# KiCad board sakura50.kicad_pcb
title: Sakura50; date: 2022-03-10; rev: 2.0; company: HorrorTroll
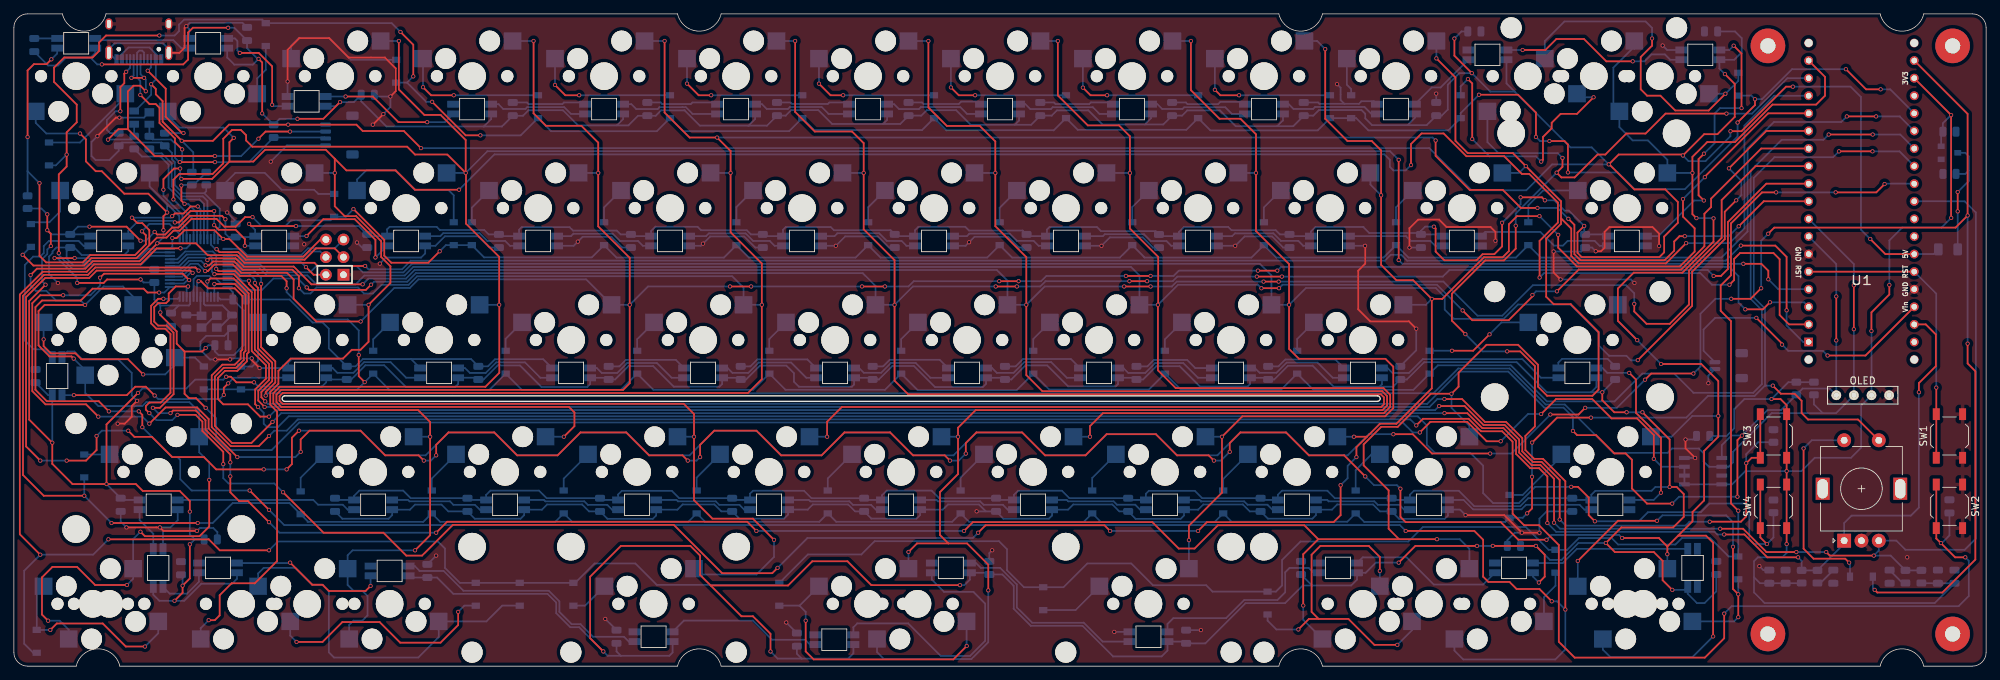
[diagram p0: board, top side]
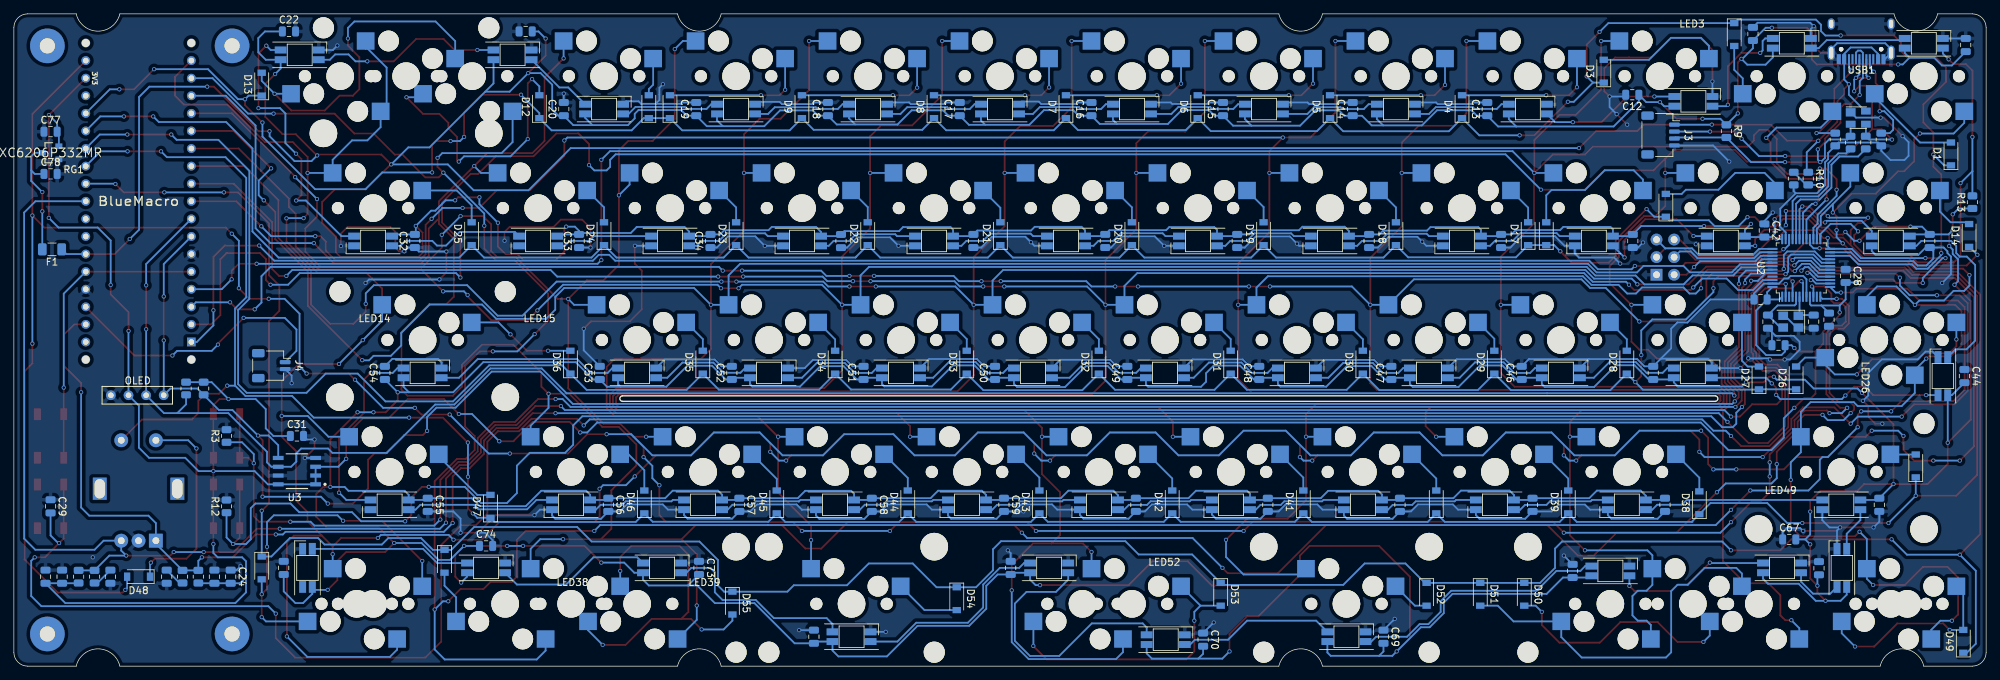
[diagram p1: board, bottom side, seen from below]

Outline 284.7 x 94.2 mm; copper layers: Top, Bottom. Coordinates in mm from the lower left corner of the outline.
Outline path: 0,92.2 0,2 arc(0.59,0.59) 2,0 9,0 arc(12.15,2.5) 15.3,0 95.8,0 arc(98.95,2.5) 102.1,0 182.6,0 arc(185.75,2.5) 188.9,0 269.4,0 arc(272.55,2.5) 275.7,0 282.7,0 arc(284.11,0.59) 284.7,2 284.7,92.2 arc(284.11,93.61) 282.7,94.2 275.7,94.2 arc(272.55,91.7) 269.4,94.2 188.9,94.2 arc(185.75,91.7) 182.6,94.2 102.1,94.2 arc(98.95,91.7) 95.8,94.2 13.3,94.2 arc(10.15,91.7) 7,94.2 2,94.2 arc(0.59,93.61) 0,92.2 ; 39.1,38.24 arc(38.72,38.64) 39.1,39.04 196.85,39.04 arc(197.23,38.64) 196.85,38.24 39.1,38.24

## Placement (name value [footprint] x y rotation side)
C1  100n  [C_0805_2012Metric]  255.74 12.92 270 bottom
C2  100n  [C_0805_2012Metric]  262.64 12.92 270 bottom
C3  100n  [C_0805_2012Metric]  270.76 12.92 270 bottom
C8  22p  [C_0805_2012Metric]  31.5 49.75 270 bottom
C9  22p  [C_0805_2012Metric]  24.89 49.75 270 bottom
C10  100nF  [C_0805_2012Metric]  2.95 89.69 90 bottom
C11  100nF  [C_0805_2012Metric]  33.66 91.3 90 bottom
C12  100nF  [C_0805_2012Metric]  51.08 82.52 0 bottom
C13  100nF  [C_0805_2012Metric]  72.02 80.45 90 bottom
C14  100nF  [C_0805_2012Metric]  91.44 80.45 90 bottom
C15  100nF  [C_0805_2012Metric]  110.16 80.45 90 bottom
C16  100nF  [C_0805_2012Metric]  129.15 80.45 90 bottom
C17  100nF  [C_0805_2012Metric]  148.16 80.45 90 bottom
C18  100nF  [C_0805_2012Metric]  167.19 80.45 90 bottom
C19  100nF  [C_0805_2012Metric]  186.2 80.45 90 bottom
C20  100nF  [C_0805_2012Metric]  205.32 80.45 90 bottom
C21  100nF  [C_0805_2012Metric]  210.82 91.66 0 bottom
C22  100nF  [C_0805_2012Metric]  244.99 91.66 180 bottom
C24  4.7u  [C_0805_2012Metric]  253.4 12.92 270 bottom
C25  100n  [C_0805_2012Metric]  32.56 52.95 180 bottom
C26  100n  [C_0805_2012Metric]  29.97 46.34 180 bottom
C27  10n  [C_0805_2012Metric]  22.68 50.03 90 bottom
C28  1u  [C_0805_2012Metric]  20.28 56.35 270 bottom
C29  100n  [C_0805_2012Metric]  279.4 23.08 270 bottom
C30  4.7u  [C_0805_2012Metric]  280.13 12.92 270 bottom
C31  100n  [C_0805_2012Metric]  243.84 33.24 180 bottom
C32  100nF  [C_0805_2012Metric]  226.82 61.4 90 bottom
C33  100nF  [C_0805_2012Metric]  203.11 61.4 90 bottom
C34  100nF  [C_0805_2012Metric]  184.14 61.4 90 bottom
C35  100nF  [C_0805_2012Metric]  165.3 61.39 90 bottom
C36  100nF  [C_0805_2012Metric]  146.19 61.4 90 bottom
C37  100nF  [C_0805_2012Metric]  127.16 61.4 90 bottom
C38  100nF  [C_0805_2012Metric]  108.11 61.4 90 bottom
C39  100nF  [C_0805_2012Metric]  89.07 61.4 90 bottom
C40  100nF  [C_0805_2012Metric]  70.02 61.4 90 bottom
C41  100nF  [C_0805_2012Metric]  51 61.4 90 bottom
C42  100nF  [C_0805_2012Metric]  32.02 62.92 270 bottom
C43  100nF  [C_0805_2012Metric]  8.14 61.4 90 bottom
C44  100nF  [C_0805_2012Metric]  3.14 41.89 270 bottom
C45  100nF  [C_0805_2012Metric]  48.06 42.35 270 bottom
C46  100nF  [C_0805_2012Metric]  67.04 42.35 90 bottom
C47  100nF  [C_0805_2012Metric]  85.86 42.35 90 bottom
C48  100nF  [C_0805_2012Metric]  104.93 42.35 90 bottom
C49  100nF  [C_0805_2012Metric]  123.97 42.35 90 bottom
C50  100nF  [C_0805_2012Metric]  143.07 42.35 90 bottom
C51  100nF  [C_0805_2012Metric]  162.05 42.35 90 bottom
C52  100nF  [C_0805_2012Metric]  181.06 42.35 90 bottom
C53  100nF  [C_0805_2012Metric]  200.12 42.35 90 bottom
C54  100nF  [C_0805_2012Metric]  231.14 42.35 90 bottom
C55  100nF  [C_0805_2012Metric]  224.95 23.3 270 bottom
C56  100nF  [C_0805_2012Metric]  198.89 23.3 270 bottom
C57  100nF  [C_0805_2012Metric]  179.97 23.3 270 bottom
C58  100nF  [C_0805_2012Metric]  160.85 23.3 270 bottom
C59  100nF  [C_0805_2012Metric]  141.78 23.3 270 bottom
C60  100nF  [C_0805_2012Metric]  122.74 23.3 90 bottom
C61  100nF  [C_0805_2012Metric]  103.69 23.3 90 bottom
C62  100nF  [C_0805_2012Metric]  84.61 23.3 90 bottom
C63  100nF  [C_0805_2012Metric]  65.48 23.3 90 bottom
C64  100nF  [C_0805_2012Metric]  46.36 23.3 90 bottom
C65  100nF  [C_0805_2012Metric]  15.42 23.3 90 bottom
C66  100nF  [C_0805_2012Metric]  24.13 14.15 270 bottom
C67  100nF  [C_0805_2012Metric]  28.42 18.3 180 bottom
C68  100nF  [C_0805_2012Metric]  59.69 13.75 270 bottom
C69  100nF  [C_0805_2012Metric]  87 4.25 270 bottom
C70  100nF  [C_0805_2012Metric]  113.03 3.83 270 bottom
C71  100nF  [C_0805_2012Metric]  140.8 14.19 270 bottom
C72  100nF  [C_0805_2012Metric]  169.21 4.25 270 bottom
C73  100nF  [C_0805_2012Metric]  185.8 14.19 270 bottom
C74  100nF  [C_0805_2012Metric]  216.53 17.37 180 bottom
C75  100nF  [C_0805_2012Metric]  245.75 14.19 90 bottom
C76  100n  [C_0805_2012Metric]  277.74 12.92 270 bottom
C77  1.0u  [C_0805_2012Metric]  279.4 77.18 180 bottom
C78  1.0u  [C_0805_2012Metric]  279.4 71.09 180 bottom
D1  1N4148  [D_SOD-123]  5.08 73.97 90 bottom
D2  1N4148  [D_SOD-123]  36.36 91.21 270 bottom
D3  1N4148  [D_SOD-123]  55.2 85.92 90 bottom
D4  1N4148  [D_SOD-123]  75.66 80.79 90 bottom
D5  1N4148  [D_SOD-123]  94.71 80.79 90 bottom
D6  1N4148  [D_SOD-123]  113.8 80.79 90 bottom
D7  1N4148  [D_SOD-123]  132.83 80.79 90 bottom
D8  1N4148  [D_SOD-123]  151.88 80.79 90 bottom
D9  1N4148  [D_SOD-123]  170.94 80.79 90 bottom
D10  1N4148  [D_SOD-123]  189.99 80.79 90 bottom
D11  1N4148  [D_SOD-123]  193.04 80.79 90 bottom
D12  1N4148  [D_SOD-123]  208.84 80.79 90 bottom
D13  1N4148  [D_SOD-123]  248.92 84.04 90 bottom
D14  1N4148  [D_SOD-123]  2.46 62.2 90 bottom
D15  1N4148  [D_SOD-123]  46.23 66.55 90 bottom
D16  1N4148  [D_SOD-123]  63.5 62.45 90 bottom
D17  1N4148  [D_SOD-123]  66.11 62.45 90 bottom
D18  1N4148  [D_SOD-123]  85.19 62.45 90 bottom
D19  1N4148  [D_SOD-123]  104.3 62.45 90 bottom
D20  1N4148  [D_SOD-123]  123.31 62.45 90 bottom
D21  1N4148  [D_SOD-123]  142.3 62.45 90 bottom
D22  1N4148  [D_SOD-123]  161.44 62.45 90 bottom
D23  1N4148  [D_SOD-123]  180.44 62.45 90 bottom
D24  1N4148  [D_SOD-123]  199.51 62.45 90 bottom
D25  1N4148  [D_SOD-123]  218.62 62.45 90 bottom
D26  1N4148  [D_SOD-123]  27.43 41.62 90 bottom
D27  1N4148  [D_SOD-123]  32.79 41.62 90 bottom
D28  1N4148  [D_SOD-123]  51.87 43.9 90 bottom
D29  1N4148  [D_SOD-123]  70.99 43.9 90 bottom
D30  1N4148  [D_SOD-123]  89.97 43.9 90 bottom
D31  1N4148  [D_SOD-123]  109.05 43.9 90 bottom
D32  1N4148  [D_SOD-123]  128.08 43.9 90 bottom
D33  1N4148  [D_SOD-123]  147.15 43.9 90 bottom
D34  1N4148  [D_SOD-123]  166.15 43.9 90 bottom
D35  1N4148  [D_SOD-123]  185.25 43.9 90 bottom
D36  1N4148  [D_SOD-123]  204.36 43.9 90 bottom
D37  1N4148  [D_SOD-123]  10.16 28.91 90 bottom
D38  1N4148  [D_SOD-123]  41.4 23.59 90 bottom
D39  1N4148  [D_SOD-123]  60.33 23.72 90 bottom
D40  1N4148  [D_SOD-123]  79.38 23.72 90 bottom
D41  1N4148  [D_SOD-123]  98.57 23.72 90 bottom
D42  1N4148  [D_SOD-123]  117.49 23.72 90 bottom
D43  1N4148  [D_SOD-123]  136.66 23.72 90 bottom
D44  1N4148  [D_SOD-123]  155.66 23.72 90 bottom
D45  1N4148  [D_SOD-123]  174.57 23.72 90 bottom
D46  1N4148  [D_SOD-123]  193.69 23.72 90 bottom
D47  1N4148  [D_SOD-123]  215.9 23.08 90 bottom
D48  1N4148  [D_SOD-123]  266.7 12.92 0 bottom
D49  1N4148  [D_SOD-123]  3.3 3.58 90 bottom
D50  1N4148  [D_SOD-123]  66.67 10.38 270 bottom
D51  1N4148  [D_SOD-123]  73.03 10.38 270 bottom
D52  1N4148  [D_SOD-123]  80.77 10.38 270 bottom
D53  1N4148  [D_SOD-123]  110.49 10.38 270 bottom
D54  1N4148  [D_SOD-123]  148.59 9.75 270 bottom
D55  1N4148  [D_SOD-123]  180.97 9.11 270 bottom
D56  1N4148  [D_SOD-123]  222.54 15.15 270 bottom
D57  1N4148  [D_SOD-123]  248.92 14.19 270 bottom
F1  500mA  [Fuse_1206_3216Metric]  279.19 60.19 0 bottom
H1  M2  [MountingHole_M2]  253.2 89.58 0 top
H2  M2  [MountingHole_M2]  279.86 89.58 0 top
H3  M2  [MountingHole_M2]  253.2 4.65 0 top
H4  M2  [MountingHole_M2]  279.86 4.65 0 top
J1  -  [OLED]  263.07 39.12 0 top
J2  ARM-JTAG-6  [Reset_Pretty]  46.31 59.07 0 top
J3  JST SH 4-pin  [JST_SH_SM04B-SRSS-TB_1x04-1MP_P1.00mm_Horizontal]  47 76.7 270 bottom
J4  Battery  [JST_SH_SM02B-SRSS-TB_1x02-1MP_P1.00mm_Horizontal]  247.54 43.4 270 bottom
LED1  SK6812Mini-e  [YS-SK6812MINI-E]  9 89.95 0 bottom
LED2  SK6812Mini-e  [YS-SK6812MINI-E]  28.05 89.95 0 bottom
LED3  SK6812Mini-e  [YS-SK6812MINI-E]  42.26 81.56 0 bottom
LED4  SK6812Mini-e  [YS-SK6812MINI-E]  66.15 80.45 0 bottom
LED5  SK6812Mini-e  [YS-SK6812MINI-E]  85.2 80.45 0 bottom
LED6  SK6812Mini-e  [YS-SK6812MINI-E]  104.25 80.45 0 bottom
LED7  SK6812Mini-e  [YS-SK6812MINI-E]  123.3 80.45 0 bottom
LED8  SK6812Mini-e  [YS-SK6812MINI-E]  142.35 80.45 0 bottom
LED9  SK6812Mini-e  [YS-SK6812MINI-E]  161.4 80.45 0 bottom
LED10  SK6812Mini-e  [YS-SK6812MINI-E]  180.45 80.45 0 bottom
LED11  SK6812Mini-e  [YS-SK6812MINI-E]  199.5 80.45 0 bottom
LED12  SK6812Mini-e  [YS-SK6812MINI-E]  212.71 88.28 0 bottom
LED13  SK6812Mini-e  [YS-SK6812MINI-E]  243.44 88.28 0 bottom
LED14  SK6812Mini-e  [YS-SK6812MINI-E]  232.84 61.4 180 bottom
LED15  SK6812Mini-e  [YS-SK6812MINI-E]  209.03 61.4 180 bottom
LED16  SK6812Mini-e  [YS-SK6812MINI-E]  189.97 61.4 180 bottom
LED17  SK6812Mini-e  [YS-SK6812MINI-E]  170.93 61.4 180 bottom
LED18  SK6812Mini-e  [YS-SK6812MINI-E]  151.88 61.4 180 bottom
LED19  SK6812Mini-e  [YS-SK6812MINI-E]  132.82 61.4 180 bottom
LED20  SK6812Mini-e  [YS-SK6812MINI-E]  113.78 61.4 180 bottom
LED21  SK6812Mini-e  [YS-SK6812MINI-E]  94.72 61.4 180 bottom
LED22  SK6812Mini-e  [YS-SK6812MINI-E]  75.67 61.4 180 bottom
LED23  SK6812Mini-e  [YS-SK6812MINI-E]  56.62 61.4 180 bottom
LED24  SK6812Mini-e  [YS-SK6812MINI-E]  37.58 61.4 180 bottom
LED25  SK6812Mini-e  [YS-SK6812MINI-E]  13.76 61.4 180 bottom
LED26  SK6812Mini-e  [YS-SK6812MINI-E]  6.24 41.89 270 bottom
LED27  SK6812Mini-e  [YS-SK6812MINI-E]  42.34 42.35 0 bottom
LED28  SK6812Mini-e  [YS-SK6812MINI-E]  61.39 42.35 0 bottom
LED29  SK6812Mini-e  [YS-SK6812MINI-E]  80.44 42.35 0 bottom
LED30  SK6812Mini-e  [YS-SK6812MINI-E]  99.49 42.35 0 bottom
LED31  SK6812Mini-e  [YS-SK6812MINI-E]  118.54 42.35 0 bottom
LED32  SK6812Mini-e  [YS-SK6812MINI-E]  137.59 42.35 0 bottom
LED33  SK6812Mini-e  [YS-SK6812MINI-E]  156.64 42.35 0 bottom
LED34  SK6812Mini-e  [YS-SK6812MINI-E]  175.69 42.35 0 bottom
LED35  SK6812Mini-e  [YS-SK6812MINI-E]  194.74 42.35 0 bottom
LED36  SK6812Mini-e  [YS-SK6812MINI-E]  225.7 42.35 0 bottom
LED37  SK6812Mini-e  [YS-SK6812MINI-E]  230.45 23.3 180 bottom
LED38  SK6812Mini-e  [YS-SK6812MINI-E]  204.26 23.3 180 bottom
LED39  SK6812Mini-e  [YS-SK6812MINI-E]  185.21 23.3 180 bottom
LED40  SK6812Mini-e  [YS-SK6812MINI-E]  166.16 23.3 180 bottom
LED41  SK6812Mini-e  [YS-SK6812MINI-E]  147.11 23.3 180 bottom
LED42  SK6812Mini-e  [YS-SK6812MINI-E]  128.06 23.3 180 bottom
LED43  SK6812Mini-e  [YS-SK6812MINI-E]  109.01 23.3 180 bottom
LED44  SK6812Mini-e  [YS-SK6812MINI-E]  89.96 23.3 180 bottom
LED45  SK6812Mini-e  [YS-SK6812MINI-E]  70.91 23.3 180 bottom
LED46  SK6812Mini-e  [YS-SK6812MINI-E]  51.86 23.3 180 bottom
LED47  SK6812Mini-e  [YS-SK6812MINI-E]  20.91 23.3 180 bottom
LED48  SK6812Mini-e  [YS-SK6812MINI-E]  20.83 14.19 270 bottom
LED49  SK6812Mini-e  [YS-SK6812MINI-E]  29.46 14.19 0 bottom
LED50  SK6812Mini-e  [YS-SK6812MINI-E]  54.24 13.75 0 bottom
LED51  SK6812Mini-e  [YS-SK6812MINI-E]  92.34 4.25 0 bottom
LED52  SK6812Mini-e  [YS-SK6812MINI-E]  118.43 3.83 0 bottom
LED53  SK6812Mini-e  [YS-SK6812MINI-E]  135.25 14.19 0 bottom
LED54  SK6812Mini-e  [YS-SK6812MINI-E]  163.78 4.25 0 bottom
LED55  SK6812Mini-e  [YS-SK6812MINI-E]  191.13 14.19 0 bottom
LED56  SK6812Mini-e  [YS-SK6812MINI-E]  216.53 14.19 0 bottom
LED57  SK6812Mini-e  [YS-SK6812MINI-E]  242.32 14.19 270 bottom
MX1  1u  [MXOnly-1U-Hotswap]  9 85.2 180 top
MX2  1u  [MXOnly-1U-Hotswap]  28.05 85.2 180 top
MX3  1u  [MXOnly-1U-Hotswap]  47.1 85.2 0 top
MX4  1u  [MXOnly-1U-Hotswap]  66.15 85.2 0 top
MX5  1u  [MXOnly-1U-Hotswap]  85.2 85.2 0 top
MX6  1u  [MXOnly-1U-Hotswap]  104.25 85.2 0 top
MX7  1u  [MXOnly-1U-Hotswap]  123.3 85.2 0 top
MX8  1u  [MXOnly-1U-Hotswap]  142.35 85.2 0 top
MX9  1u  [MXOnly-1U-Hotswap]  161.4 85.2 0 top
MX10  1u  [MXOnly-1U-Hotswap]  180.45 85.2 0 top
MX11  1u  [MXOnly-1U-Hotswap]  199.5 85.2 0 top
MX12  1u  [MXOnly-1U-Hotswap]  218.55 85.2 180 top
MX13  1u  [MXOnly-1U-Hotswap]  237.6 85.2 180 top
MX14  2u  [MXOnly-2U-Hotswap]  228.08 85.2 0 top
MX15  1.5u  [MXOnly-1.5U-Hotswap]  13.76 66.15 0 top
MX16  1u  [MXOnly-1U-Hotswap]  37.58 66.15 0 top
MX17  1u  [MXOnly-1U-Hotswap]  56.62 66.15 0 top
MX18  1u  [MXOnly-1U-Hotswap]  75.67 66.15 0 top
MX19  1u  [MXOnly-1U-Hotswap]  94.72 66.15 0 top
MX20  1u  [MXOnly-1U-Hotswap]  113.78 66.15 0 top
MX21  1u  [MXOnly-1U-Hotswap]  132.82 66.15 0 top
MX22  1u  [MXOnly-1U-Hotswap]  151.88 66.15 0 top
MX23  1u  [MXOnly-1U-Hotswap]  170.93 66.15 0 top
MX24  1u  [MXOnly-1U-Hotswap]  189.97 66.15 0 top
MX25  1u  [MXOnly-1U-Hotswap]  209.03 66.15 0 top
MX26  1.5u  [MXOnly-1.5U-Hotswap]  232.84 66.15 0 top
MX27  1.25u  [MXOnly-1.25U-Hotswap]  11.38 47.1 0 top
MX28  1.75u  [MXOnly-1.75U-Hotswap]  16.14 47.1 180 top
MX29  1u  [MXOnly-1U-Hotswap]  42.34 47.1 0 top
MX30  1u  [MXOnly-1U-Hotswap]  61.39 47.1 0 top
MX31  1u  [MXOnly-1U-Hotswap]  80.44 47.1 0 top
MX32  1u  [MXOnly-1U-Hotswap]  99.49 47.1 0 top
MX33  1u  [MXOnly-1U-Hotswap]  118.54 47.1 0 top
MX34  1u  [MXOnly-1U-Hotswap]  137.59 47.1 0 top
MX35  1u  [MXOnly-1U-Hotswap]  156.64 47.1 0 top
MX36  1u  [MXOnly-1U-Hotswap]  175.69 47.1 0 top
MX37  1u  [MXOnly-1U-Hotswap]  194.74 47.1 0 top
MX38  2.25u  [MXOnly-2.25U-Hotswap]  225.7 47.1 0 top
MX39  2.25u  [MXOnly-2.25U-Hotswap]  20.91 28.05 0 top
MX40  1u  [MXOnly-1U-Hotswap]  51.86 28.05 0 top
MX41  1u  [MXOnly-1U-Hotswap]  70.91 28.05 0 top
MX42  1u  [MXOnly-1U-Hotswap]  89.96 28.05 0 top
MX43  1u  [MXOnly-1U-Hotswap]  109.01 28.05 0 top
MX44  1u  [MXOnly-1U-Hotswap]  128.06 28.05 0 top
MX45  1u  [MXOnly-1U-Hotswap]  147.11 28.05 0 top
MX46  1u  [MXOnly-1U-Hotswap]  166.16 28.05 0 top
MX47  1u  [MXOnly-1U-Hotswap]  185.21 28.05 0 top
MX48  1u  [MXOnly-1U-Hotswap]  204.26 28.05 0 top
MX49  1.75u  [MXOnly-1.75U-Hotswap]  230.45 28.05 0 top
MX50  Knob  [RotaryEncoder_EC11]  266.7 25.62 90 top
MX51  1.25u  [MXOnly-1.25U-Hotswap]  11.38 9 0 top
MX52  1u  [MXOnly-1U-Hotswap]  32.81 9 180 top
MX53  1.25u  [MXOnly-1.25U-Hotswap]  54.24 9 180 top
MX54  2.75u  [MXOnly-2.75U-Hotswap-ReversedStabilizers]  92.34 9 0 top
MX55  1.25u  [MXOnly-1.25U-Hotswap]  130.44 9 180 top
MX56  2.25u  [MXOnly-2.25U-Hotswap-ReversedStabilizers]  163.78 9 0 top
MX57  1u  [MXOnly-1U-Hotswap]  194.73 9 180 top
MX58  1u  [MXOnly-1U-Hotswap]  213.78 9 180 top
MX59  1.25u  [MXOnly-1.25U-Hotswap]  235.21 9 180 top
MX60  1.5u  [MXOnly-1.5U-Hotswap]  13.76 9 180 top
MX61  1.5u  [MXOnly-1.5U-Hotswap]  42.34 9 0 top
MX62  7u  [MXOnly-7U-Hotswap-ReversedStabilizers]  123.3 9 0 top
MX63  1.5u  [MXOnly-1.5U-Hotswap]  204.26 9 0 top
MX64  1.5u  [MXOnly-1.5U-Hotswap]  232.84 9 0 top
R1  22R  [R_0805_2012Metric]  17.38 75.62 90 bottom
R2  22R  [R_0805_2012Metric]  19.57 75.61 90 bottom
R3  10k  [R_0805_2012Metric]  254 33.24 90 bottom
R4  10k  [R_0805_2012Metric]  258.07 12.92 90 bottom
R5  10k  [R_0805_2012Metric]  275.35 12.92 90 bottom
R7  5.1k  [R_0805_2012Metric]  15.14 76.06 90 bottom
R8  5.1k  [R_0805_2012Metric]  21.78 76.06 270 bottom
R9  1.5k  [R_0805_2012Metric]  37.5 77.26 270 bottom
R10  100k  [R_0805_2012Metric]  25.68 70.41 270 bottom
R11  200k  [R_0805_2012Metric]  27.78 70.41 270 bottom
R12  10k  [R_0805_2012Metric]  254 23.08 90 bottom
R13  10k  [R_0805_2012Metric]  1.98 67.01 90 bottom
R14  10k  [R_0805_2012Metric]  259.84 40.1 90 bottom
R15  10k  [R_0805_2012Metric]  257.3 40.1 90 bottom
R16  10k  [R_0805_2012Metric]  260.35 12.92 270 bottom
R17  10k  [R_0805_2012Metric]  273.05 12.92 270 bottom
RG1  XC6206P332MR  [Torex-XC6206P332MR]  279.4 74.13 0 bottom
SW1  Reset  [SW_SPST_TL3342]  279.4 33.24 90 top
SW2  Reset  [SW_SPST_TL3342]  279.4 23.08 270 top
SW3  Boot0  [SW_SPST_TL3342]  254 33.24 90 top
SW4  Boot1  [SW_SPST_TL3342]  254 23.08 90 top
U1  BlueMacro  [blue_macro]  266.7 67.13 180 bottom
U2  STM32F303CCTx  [LQFP-48_7x7mm_P0.5mm]  26.69 57.51 90 bottom
U3  AT24C512C-SSHD-T  [Microchip-C04-057-SN-0-E-MFG]  243.84 28.16 0 bottom
USB1  -  [HRO-TYPE-C-31-M-12]  18.04 95.34 0 bottom
USB2  PRTR5V0U2X  [SOT-143]  18.46 79.21 180 bottom
Y1  8Mhz  [Crystal_SMD_3225-4Pin_3.2x2.5mm]  28.19 49.75 0 bottom

## Library data of the parts
J2 = -: Field4: SWCLK-JTCK; Field5: SWDIO-JTMS; Field6: JTDO; Field7: GND; Field8: JTDI; Field9: VCC
RG1 = -: Accuracy: ±2%; Dropout Voltage: 250mV; Maximum Output Current: 200mA; category: Reg; category 56439b4967f48d84: Power Management; category 9e07530daf1645c0: Semiconductors and Actives; category bb4c76468af8608b: Linear Regulators; ipc land pattern name: SOT95P280X110-3; lead free: yes; library id: d425e2ef490922a5; manufacturer: Torex; mouser part number: 865-XC6206P332MR-G; num pins: 3; octopart part number: e32b2b70e2ce3cec; package: SOT23; rohs: yes; temperature range high: +85°C; temperature range low: -40°C; voltage: 3.3V
U1 = -: Field4: GND; Field5: GND; Field6: Vin; Field7: RST; Field8: 5V; Field9: RST
U3 = -: access time: 450ns; automotive: No; category: IC; device class L1: Integrated Circuits (ICs); device class L2: Memory; device class L3: EEPROM; digikey description: IC EEPROM 512K I2C 1MHZ 8SOIC; digikey part number: AT24C512C-SSHD-TCT-ND; footprint url: http://ww1.microchip.com/downloads/en/DeviceDoc/08L_SOIC_150_3dot9mm_SN_C04-00057e.pdf; frequency: 1MHz; height: 1.75mm; interface: I2C,2-Wire; lead free: Yes; library id: a59e20c55acd1fa2; manufacturer: Microchip; max supply voltage: 5.5V; memory size: 512Kbits; memory type: EEPROM; min supply voltage: 1.7V; mouser description: AT24C512C Series 512 Kb (64 K x 8) 1.7 V I2C-Compatible Serial EEPROM - SOIC-8; mouser part number: 556-AT24C512C-SSHD-T; nominal supply current: 1-3mA; package: SOIC8; rohs: Yes; standoff height: 0.1mm; temperature range high: +85°C; temperature range low: -40°C

## Footprints (pads in the part's own frame, mm; a bottom-side part is the same pattern mirrored in y, then rotated)
blue_macro
  round 1.27 hole 1.152 unplated: (-7.62,-22.86) (-7.62,22.86) (7.62,-22.86) (7.62,22.86)
  rect 1.25x1.25 hole 0.825: 1(7.62,-20.32)
  round 1.27 hole 0.825: 2(7.62,-17.78) 3(7.62,-15.24) 4(7.62,-12.7) 5(7.62,-10.16) 6(7.62,-7.62) 7(7.62,-5.08) 8(7.62,-2.54) 9(7.62,0) 10(7.62,2.54) 11(7.62,5.08) 12(7.62,7.62) 13(7.62,10.16) 14(7.62,12.7) 15(7.62,15.24) 16(7.62,17.78) 17(7.62,20.32) 18(-7.62,20.32) 19(-7.62,17.78) 20(-7.62,15.24) 21(-7.62,12.7) 22(-7.62,10.16) 23(-7.62,7.62) 24(-7.62,5.08) 25(-7.62,2.54) 26(-7.62,0) 27(-7.62,-2.54) 28(-7.62,-5.08) 29(-7.62,-7.62) 30(-7.62,-10.16) 31(-7.62,-12.7) 32(-7.62,-15.24) 33(-7.62,-17.78) 34(-7.62,-20.32)
C_0805_2012Metric
  rrect 1x1.45 smd: 1(-0.95,0) 2(0.95,0)
Crystal_SMD_3225-4Pin_3.2x2.5mm
  rect 1.4x1.2 smd: 1(-1.1,-0.85) 2(1.1,-0.85) 3(1.1,0.85) 4(-1.1,0.85)
D_SOD-123
  rect 0.9x1.2 smd: 1(-1.65,0) 2(1.65,0)
Fuse_1206_3216Metric
  rrect 1.25x1.75 smd: 1(-1.4,0) 2(1.4,0)
HRO-TYPE-C-31-M-12
  round 0.65 hole 0.65 unplated: (-2.89,6.25) (2.89,6.25)
  rect 0.6x1.45 smd: 1(-3.225,7.695) 2(-2.45,7.695) 11(2.45,7.695) 12(3.225,7.695)
  rect 0.3x1.45 smd: 3(-1.75,7.695) 4(-1.25,7.695) 5(-0.75,7.695) 6(-0.25,7.695) 7(0.25,7.695) 8(0.75,7.695) 9(1.25,7.695) 10(1.75,7.695)
  oval 1x1.6 hole 0.6x1.2: 13(-4.32,2.6) 13(4.32,2.6)
  oval 1x2.1 hole 0.6x1.7: 13(-4.32,6.78) 13(4.32,6.78)
JST_SH_SM02B-SRSS-TB_1x02-1MP_P1.00mm_Horizontal
  rrect 0.6x1.55 smd: 1(-0.5,2) 2(0.5,2)
  rrect 1.2x1.8 smd: MP(-1.8,-1.875) MP(1.8,-1.875)
JST_SH_SM04B-SRSS-TB_1x04-1MP_P1.00mm_Horizontal
  rrect 0.6x1.55 smd: 1(-1.5,2) 2(-0.5,2) 3(0.5,2) 4(1.5,2)
  rrect 1.2x1.8 smd: MP(-2.8,-1.875) MP(2.8,-1.875)
LQFP-48_7x7mm_P0.5mm
  rrect 1.475x0.3 smd: 1(-4.162,2.75) 2(-4.162,2.25) 3(-4.162,1.75) 4(-4.162,1.25) 5(-4.162,0.75) 6(-4.162,0.25) 7(-4.162,-0.25) 8(-4.162,-0.75) 9(-4.162,-1.25) 10(-4.162,-1.75) 11(-4.162,-2.25) 12(-4.162,-2.75) 25(4.162,-2.75) 26(4.162,-2.25) 27(4.162,-1.75) 28(4.162,-1.25) 29(4.162,-0.75) 30(4.162,-0.25) 31(4.162,0.25) 32(4.162,0.75) 33(4.162,1.25) 34(4.162,1.75) 35(4.162,2.25) 36(4.162,2.75)
  rrect 0.3x1.475 smd: 13(-2.75,-4.162) 14(-2.25,-4.162) 15(-1.75,-4.162) 16(-1.25,-4.162) 17(-0.75,-4.162) 18(-0.25,-4.162) 19(0.25,-4.162) 20(0.75,-4.162) 21(1.25,-4.162) 22(1.75,-4.162) 23(2.25,-4.162) 24(2.75,-4.162) 37(2.75,4.162) 38(2.25,4.162) 39(1.75,4.162) 40(1.25,4.162) 41(0.75,4.162) 42(0.25,4.162) 43(-0.25,4.162) 44(-0.75,4.162) 45(-1.25,4.162) 46(-1.75,4.162) 47(-2.25,4.162) 48(-2.75,4.162)
Microchip-C04-057-SN-0-E-MFG
  rect 1.55x0.6 smd: 1(-2.7,1.905) 2(-2.7,0.635) 3(-2.7,-0.635) 4(-2.7,-1.905) 5(2.7,-1.905) 6(2.7,-0.635) 7(2.7,0.635) 8(2.7,1.905)
MountingHole_M2
  round 5 hole 2.2 unplated: (0,0)
MXOnly-1.5U-Hotswap
  round 1.75 hole 1.75 unplated: (-5.08,0) (5.08,0)
  round 3 hole 3 unplated: (-3.81,2.54) (2.54,5.08)
  round 3.988 hole 3.988 unplated: (0,0)
  rect 2.55x2.5 smd far side: 1(-7.085,2.54) 2(5.842,5.08)
MXOnly-1.25U-Hotswap
  round 1.75 hole 1.75 unplated: (-5.08,0) (5.08,0)
  round 3 hole 3 unplated: (-3.81,2.54) (2.54,5.08)
  round 3.988 hole 3.988 unplated: (0,0)
  rect 2.55x2.5 smd far side: 1(-7.085,2.54) 2(5.842,5.08)
MXOnly-1.75U-Hotswap
  round 1.75 hole 1.75 unplated: (-5.08,0) (5.08,0)
  round 3 hole 3 unplated: (-3.81,2.54) (2.54,5.08)
  round 3.988 hole 3.988 unplated: (0,0)
  rect 2.55x2.5 smd far side: 1(-7.085,2.54) 2(5.842,5.08)
MXOnly-1U-Hotswap
  round 1.75 hole 1.75 unplated: (-5.08,0) (5.08,0)
  round 3 hole 3 unplated: (-3.81,2.54) (2.54,5.08)
  round 3.988 hole 3.988 unplated: (0,0)
  rect 2.55x2.5 smd far side: 1(-7.085,2.54) 2(5.842,5.08)
MXOnly-2.25U-Hotswap
  round 3.048 hole 3.048 unplated: (-11.938,6.985) (11.938,6.985)
  round 3.988 hole 3.988 unplated: (-11.938,-8.255) (0,0) (11.938,-8.255)
  round 1.75 hole 1.75 unplated: (-5.08,0) (5.08,0)
  round 3 hole 3 unplated: (-3.81,2.54) (2.54,5.08)
  rect 2.55x2.5 smd far side: 1(-7.085,2.54) 2(5.842,5.08)
MXOnly-2.25U-Hotswap-ReversedStabilizers
  round 3.988 hole 3.988 unplated: (-11.938,8.255) (0,0) (11.938,8.255)
  round 3.048 hole 3.048 unplated: (-11.938,-6.985) (11.938,-6.985)
  round 1.75 hole 1.75 unplated: (-5.08,0) (5.08,0)
  round 3 hole 3 unplated: (-3.81,2.54) (2.54,5.08)
  rect 2.55x2.5 smd far side: 1(-7.085,2.54) 2(5.842,5.08)
MXOnly-2.75U-Hotswap-ReversedStabilizers
  round 3.988 hole 3.988 unplated: (-11.938,8.255) (0,0) (11.938,8.255)
  round 3.048 hole 3.048 unplated: (-11.938,-6.985) (11.938,-6.985)
  round 1.75 hole 1.75 unplated: (-5.08,0) (5.08,0)
  round 3 hole 3 unplated: (-3.81,2.54) (2.54,5.08)
  rect 2.55x2.5 smd far side: 1(-7.085,2.54) 2(5.842,5.08)
MXOnly-2U-Hotswap
  round 3.048 hole 3.048 unplated: (-11.938,6.985) (11.938,6.985)
  round 3.988 hole 3.988 unplated: (-11.938,-8.255) (0,0) (11.938,-8.255)
  round 1.75 hole 1.75 unplated: (-5.08,0) (5.08,0)
  round 3 hole 3 unplated: (-3.81,2.54) (2.54,5.08)
  rect 2.55x2.5 smd far side: 1(-7.085,2.54) 2(5.842,5.08)
MXOnly-7U-Hotswap-ReversedStabilizers
  round 3.988 hole 3.988 unplated: (-57.15,8.255) (0,0) (57.15,8.255)
  round 3.048 hole 3.048 unplated: (-57.15,-6.985) (57.15,-6.985)
  round 1.75 hole 1.75 unplated: (-5.08,0) (5.08,0)
  round 3 hole 3 unplated: (-3.81,2.54) (2.54,5.08)
  rect 2.55x2.5 smd far side: 1(-7.085,2.54) 2(5.842,5.08)
OLED
  round 1.397 hole 0.813: 1(0,0) 2(2.54,0) 3(5.08,0) 4(7.62,0)
R_0805_2012Metric
  rrect 1.025x1.4 smd: 1(-0.912,0) 2(0.912,0)
Reset_Pretty
  round 1.7 hole 1: 1(-1.27,2.54) 2(1.27,2.54) 3(-1.27,0) 4(1.27,0) 5(-1.27,-2.54)